# Altium PCB carrier_bak.PcbDoc (part 5 of 5)
Units mil, origin at the board's own origin, x right, y up, seen from the top; angles counter-clockwise.
Board outline 5511.81 x 3425.2 mil, 4 copper layers (Component Side, Power_layer1, Power_layer2, Solder Side), stack 65.912 mil thick; 375 components, 412 nets, 1874 pads, 645 vias.
Unrouted connection lines stored in the file: 33.
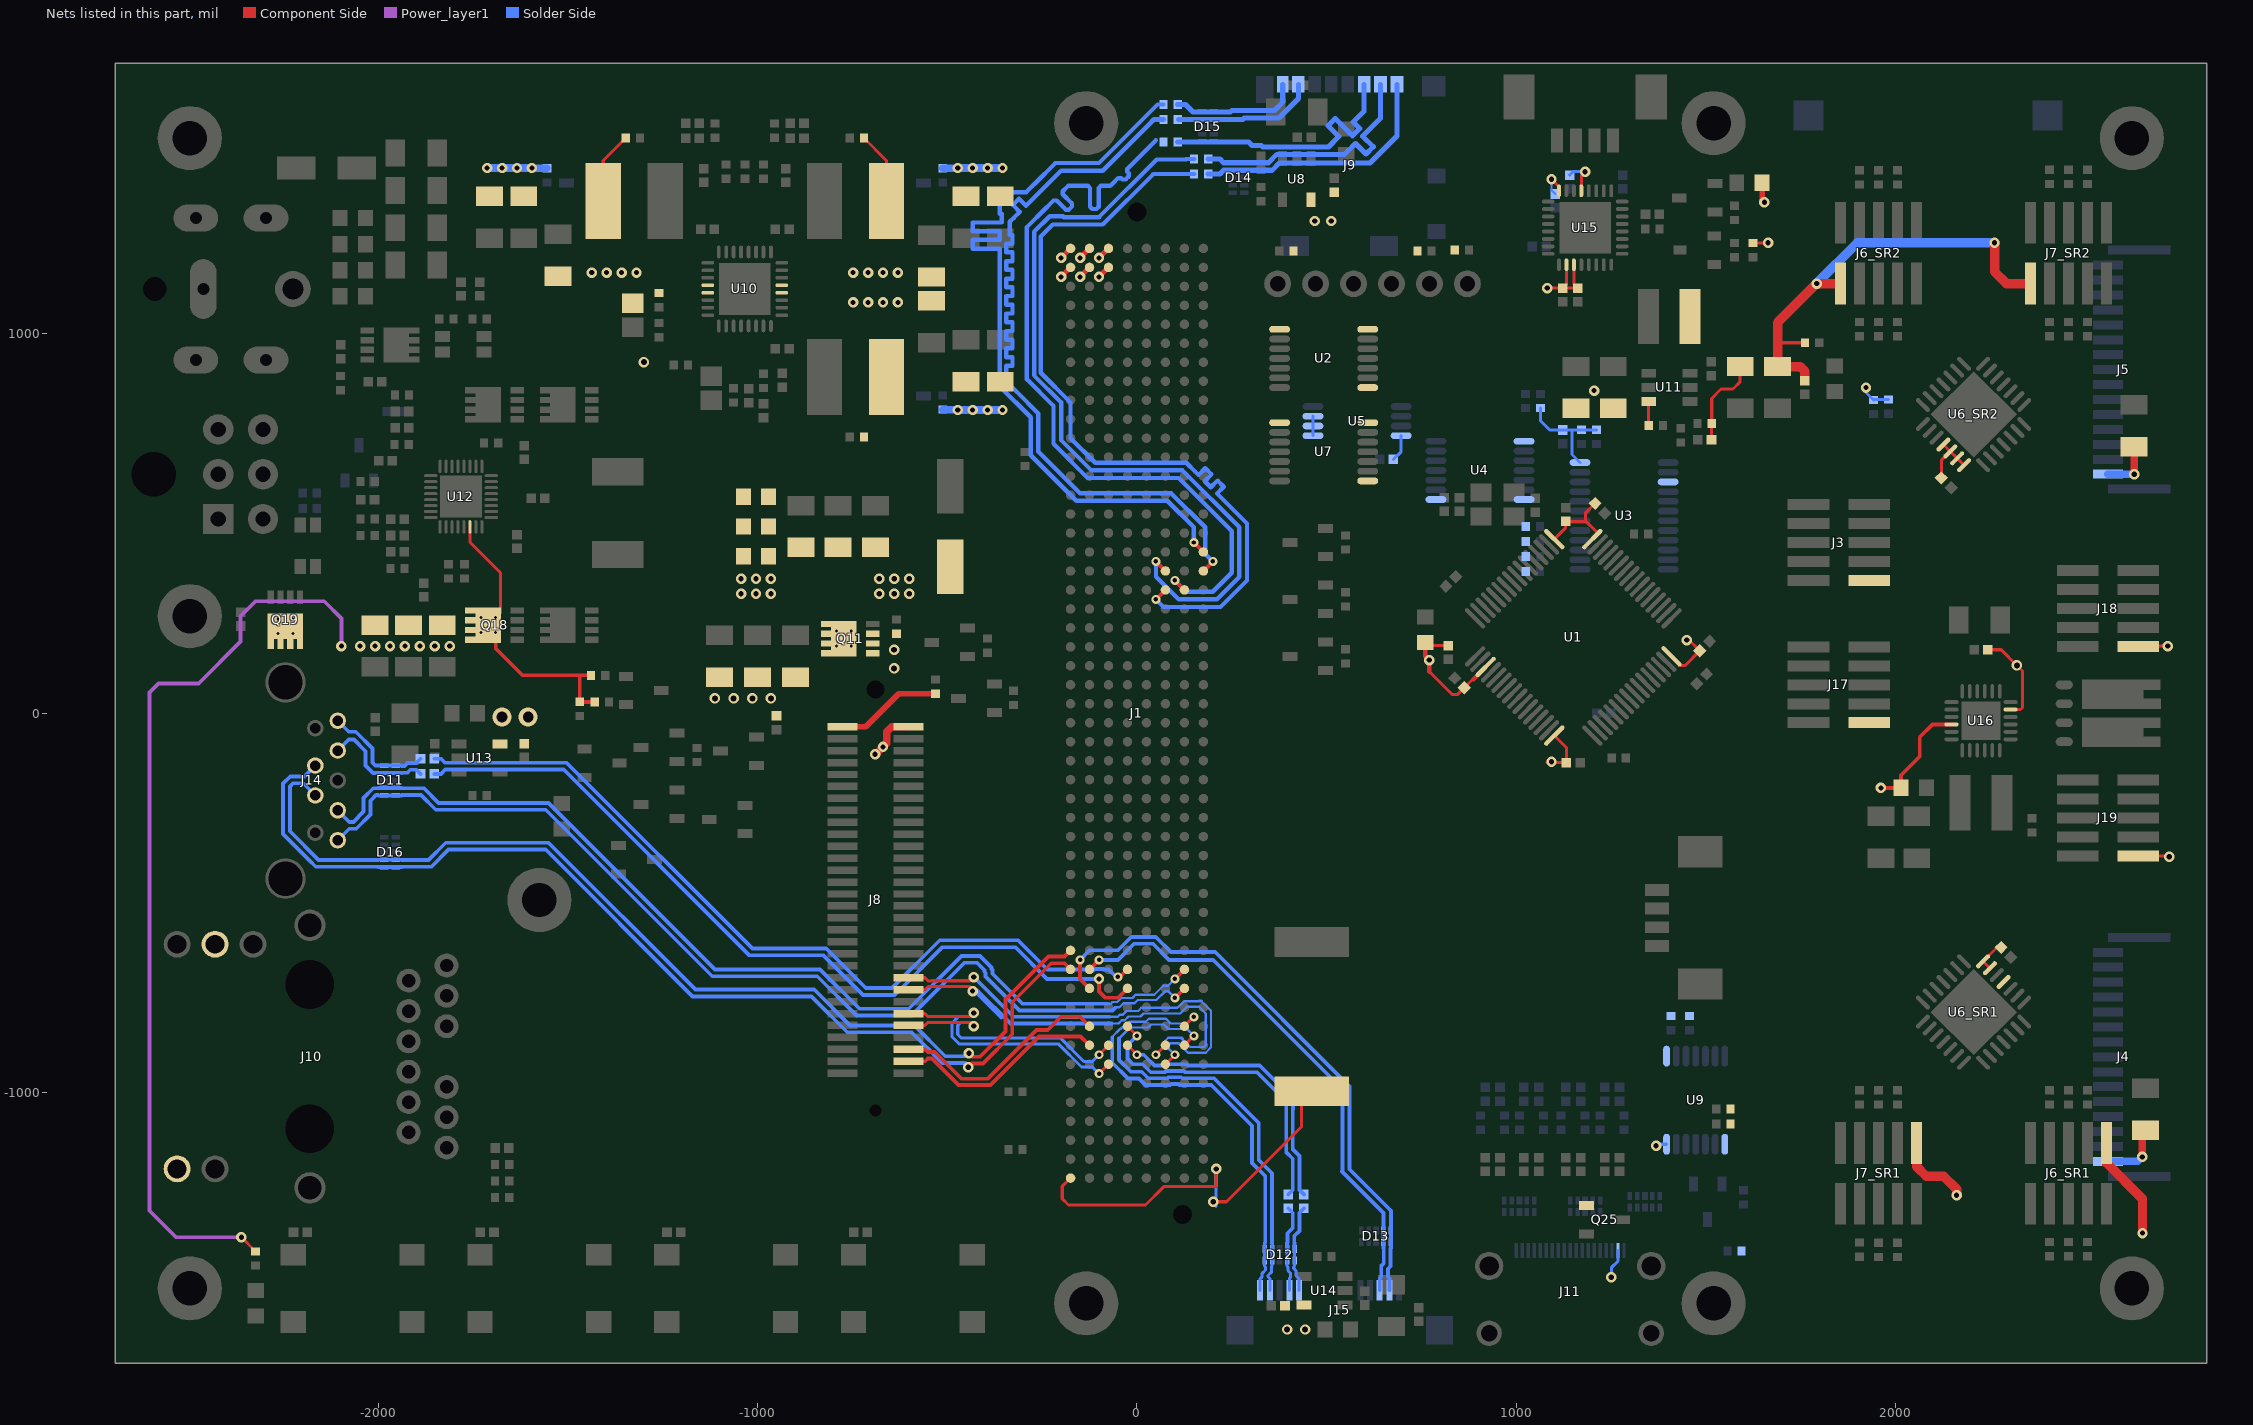
[diagram p7: the nets of this part, all layers, seen from the top]

## Via types
v1: diameter 27.56, hole 13.78, Component Side to Solder Side, 368 vias
v2: diameter 23.62, hole 11.81, Component Side to Solder Side, tented top, 99 vias
v3: diameter 27.56, hole 15.75, Component Side to Solder Side, 59 vias
v4: diameter 19.68, hole 7.87, Component Side to Solder Side, 54 vias
v5: diameter 27.56, hole 13.78, Component Side to Solder Side, tented top, 45 vias
v6: diameter 23.62, hole 11.81, Component Side to Solder Side, 10 vias
v7: diameter 19.68, hole 10, Component Side to Solder Side, 8 vias
v8: diameter 50, hole 28, Component Side to Solder Side, 2 vias

## Nets (pads, with @x,y where several pads share a name; then routed paths per layer and width w, separated by ;. In a path a pad name is that pad's centre, name@x,y a point inside that pad or via, vN(x,y) a via of type N, cw(c..) or ccw(c..) an arc to the next point about the centre after c; other vN are vias at no path point) (continued)
SDC_CMD: J1.G19 R25.1 | length 2134.5
  Component Side w11.5: v2(100,350) J1.G19@125,325
  Solder Side w11.5: 49.84,1509.84 19.68,1479.69 -25.28,1434.72 -25.28,1426.59 -21.74,1423.06 -21.74,1414.93 -29.88,1406.8 -38.01,1406.8 -41.54,1410.33 -49.67,1410.33 -61.87,1398.13 -70,1390 -94.97,1390 -100.72,1384.25 -100.72,1334.65 -106.47,1328.9 -117.97,1328.9 -123.72,1334.65 -123.72,1384.25 -129.47,1390 -146.72,1390 -169.72,1390 -181.22,1390 -183.19,1388.03 -195.39,1375.83 -195.39,1367.7 -171.28,1343.6 -171.28,1335.47 -179.42,1327.34 -187.55,1327.34 -211.65,1351.44 -219.78,1351.44 -231.98,1339.24 -240.11,1331.11 -290,1281.22 -290,880 -220,810 -220,710 -130,620 110,620 250,480 250,370 200,320 130,320 v2(100,350)
SDC_D0: J1.H18 R26.1 | length 2120.4
  Component Side w10: J1.H18@175,375 v2(200,400)
  Solder Side w11.5: 40,1560 -90,1430 -200,1430 -268.12,1361.88 -276.25,1353.75 -292.52,1337.48 -310.74,1355.71 -327,1339.44 -308.78,1321.22 -325.04,1304.96 -335,1295 -335,1283.5 -335,1260.5 -327.89,1260.5 -327.89,1237.5 -335,1237.5 -344.11,1237.5 -344.11,1214.5 -335,1214.5 -327.89,1214.5 -327.89,1191.5 -335,1191.5 -344.11,1191.5 -344.11,1168.5 -335,1168.5 -327.89,1168.5 -327.89,1145.5 -335,1145.5 -344.11,1145.5 -344.11,1122.5 -335,1122.5 -327.89,1122.5 -327.89,1099.5 -335,1099.5 -344.11,1099.5 -344.11,1076.5 -335,1076.5 -327.89,1076.5 -327.89,1053.5 -335,1053.5 -344.11,1053.5 -344.11,1030.5 -335,1030.5 -327.89,1030.5 -327.89,1007.5 -335,1007.5 -344.11,1007.5 -344.11,984.5 -335,984.5 -327.89,984.5 -327.89,961.5 -335,961.5 -344.11,961.5 -344.11,938.5 -335,938.5 -327.89,938.5 -327.89,915.5 -335,915.5 -344.11,915.5 -344.11,892.5 -335,892.5 -335,869.5 -335,865 -326.87,856.87 -316.46,846.46 -260,790 -260,690 -150,580 90,580 180,490 180,420 v2(200,400)
  Solder Side w13.5: 40,1560 44.96,1564.96 R26.1@69.88,1564.96
SDC_D1: J1.H17 R125.1 | length 2120.4
  Component Side w10: v2(150,450) J1.H17@175,425
  Solder Side w11.5: R125.1@69.88,1604.33 54.33,1604.33 -100,1450 -214.96,1450 -268.24,1396.72 -276.38,1388.59 -291.48,1373.48 -302.98,1373.48 -325.98,1373.48 -339.52,1373.48 -362,1351 -362,1339.5 -362,1316.5 -356.25,1316.5 -356.25,1293.5 -362,1293.5 -432.75,1293.5 -432.75,1270.5 -362,1270.5 -362,1247.5 -432.75,1247.5 -432.75,1224.5 -362,1224.5 -362,1183 -362,862 -280,780 -280,680 -160,560 80,560 150,490 v2(150,450)
SDC_D2: J1.F19 R126.1 | length 2158.4
  Component Side w11.5: v2(50,300) J1.F19@75,325
  Solder Side w11.5: v2(50,300) 70,280 220,280 290,350 290,500 221.5,568.5 210.92,579.08 228.82,596.98 212.56,613.24 194.66,595.34 178.4,611.6 196.29,629.5 180.03,645.77 162.13,627.87 154,636 130,660 -110,660 -175,725 -175,819.1 -253.5,897.6 -253.5,1256.5 -222,1288 -90,1288 43.26,1421.26 R126.1@150.59,1421.26
SDC_D3: J1.F18 R127.1 | length 2123.9
  Component Side w11.5: v2(50,400) J1.F18@75,375
  Solder Side w11.5: v2(50,400) 50,360 110,300 210,300 270,360 270,490 120,640 -120,640 -200,720 -200,819.35 -271,890.35 -271,1269 -230,1310 -194.96,1310 -192.58,1307.62 -99.86,1307.62 52.05,1459.53 130.16,1459.53 129.06,1460.63 R127.1@150.59,1460.63
SDCARD_CMD: D15.5 J9.3 R25.2 | length 735.6
  Solder Side w13.5: R25.2@107.28,1505.91 D15.5@171.85,1505.91 D15.5@202.17,1505.91 294,1505.91 303.4,1496.5 327.59,1496.5 331.59,1492.5 399,1492.5 410,1492.5 437,1492.5 464,1492.5 491,1492.5 504.5,1492.5 531.8,1519.8 503.45,1548.15 522.54,1567.24 550.89,1538.89 568.1,1521.68 587.2,1540.77 569.98,1557.98 589.08,1577.08 598.62,1586.62 598.62,1592.5 598.62,1619.5 598.62,1633 J9.3@598.62,1657.48
SDCARD_DAT0: D15.2 J9.7 R26.2 | length 375.3
  Solder Side w13.5: R26.2@110.24,1564.96 D15.2@171.85,1564.96 D15.2@202.17,1564.96 278.94,1564.96 282.87,1568.9 374.02,1568.9 425.39,1620.28 J9.7@425.39,1657.48
SDCARD_DAT1: D15.1 J9.8 R125.2 | length 342.7
  Solder Side w13.5: R125.2@107.28,1604.33 127.95,1604.33 147.64,1584.65 D15.1@171.85,1584.65 D15.1@202.17,1584.65 246.06,1584.65 250,1588.58 362.2,1588.58 384.06,1610.43 J9.8@384.06,1657.48
SDCARD_DAT2: D14.2 J9.1 R126.2 | length 674.9
  Solder Side w13.5: R126.2@187.99,1421.26 218.5,1421.26 228.35,1431.1 D14.2@252.56,1431.1 D14.2@282.87,1431.1 356.3,1431.1 375.2,1450 614,1450 685.24,1521.24 J9.1@685.24,1657.48
SDCARD_DAT3: D14.1 J9.2 R127.2 | length 674.9
  Solder Side w13.5: R127.2@187.99,1460.63 218.5,1460.63 228.35,1450.79 D14.1@252.56,1450.79 D14.1@282.87,1450.79 346.46,1450.79 368.67,1473 547,1473 556.55,1482.55 575.64,1501.64 603.5,1473.77 622.59,1492.87 594.73,1520.73 641.93,1567.93 J9.2@641.93,1657.48
USB0_D_N: D13.1 J1.B40 J15.2 | length 1570.9
  Component Side w11: v2(-150,-650) -150,-700 J1.B40@-125,-725
  Solder Side w10: v2(-150,-650) -124.71,-624.71 -50.17,-624.71 -14.96,-589.5 49.71,-589.5 89.75,-629.54 206.18,-629.54 560,-983.36 560,-1201.87 669.29,-1311.16 D13.1@669.29,-1362.8 D13.1@669.29,-1393.11 669.29,-1408.94 668.45,-1409.78 668.45,-1457.26 661.56,-1464.15 661.56,-1485.3 665.35,-1489.09 J15.2@665.35,-1520.67
USB0_D_P: D13.2 J1.B39 J15.3 | length 1434.6
  Component Side w11: J1.B39@-125,-675 v2(-100,-650)
  Solder Side w10: v2(-100,-650) -50,-650 -7.5,-607.5 42.25,-607.5 84.75,-650 201.18,-650 542,-990.82 542,-1205.32 540,-1207.32 649.61,-1316.93 D13.2@649.61,-1362.8 D13.2@649.61,-1393.11 649.61,-1408.94 650.45,-1409.78 650.45,-1449.8 643.56,-1456.69 643.56,-1485.3 639.76,-1489.09 J15.3@639.76,-1520.67
USB0_RX_N: D11.5 J1.G40 J14.5 | length 2701.2
  Component Side w10: v2(100,-750) J1.G40@125,-725
  Solder Side w6: -59.05,-775.59 -58.36,-774.9 -46.25,-774.9 -35.54,-764.19 -6.22,-764.19 2.07,-755.91 51.09,-755.91 75,-732 82,-732 v2(100,-750)
  Solder Side w10: J14.5@-2106.3,-334.65 -2075.93,-304.28 -2057.54,-304.28 -2020,-266.73 -2020,-230.69 -2005,-215.69 -2000.33,-215.69 -1999.49,-216.54 D11.5@-1983.66,-216.54 D11.5@-1953.35,-216.54 -1937.52,-216.54 -1936.68,-215.69 -1886.67,-215.69 -1848.14,-254.22 -1558.06,-254.22 -1119.28,-693 -842.43,-693 -738.82,-796.61 -593.99,-796.61 -454.86,-657.48 -421.37,-657.48 -401.71,-677.14 -401.71,-681.33 -399.03,-684.01 -399.03,-693.84 -309.18,-783.69 -64.33,-783.69 -57.64,-777
USB0_RX_P: D11.4 J1.G39 J14.6 | length 2698.7
  Component Side w10: v2(100,-700) J1.G39@125,-675
  Solder Side w6: -78.74,-765.69 -68.95,-765.69 -64.16,-760.9 -52.05,-760.9 -41.34,-750.19 -12.02,-750.19 -3.73,-741.91 45.3,-741.91 69.2,-718 82,-718 v2(100,-700)
  Solder Side w10: J14.6@-2106.3,-255.91 -2075.93,-286.28 -2065,-286.28 -2038,-259.28 -2038,-223.24 -2012.46,-197.69 -2000.33,-197.69 -1999.49,-196.85 D11.4@-1983.66,-196.85 D11.4@-1953.35,-196.85 -1937.52,-196.85 -1936.68,-197.69 -1879.21,-197.69 -1840.69,-236.22 -1550.61,-236.22 -1111.83,-675 -834.98,-675 -731.37,-778.61 -601.45,-778.61 -462.31,-639.48 -413.92,-639.48 -383.71,-669.69 -383.71,-673.87 -381.03,-676.55 -381.03,-686.39 -301.72,-765.69 -78.74,-765.69
USB0_TX_N: C91.2 J1.D40 | length 2215
  Component Side w10: v1(-100,-700) -100,-733.23 -83.23,-750 -50,-750 J1.D40@-25,-725
  Solder Side w10: C91.2@-1851.89,-160 -1834.29,-160 -1822.79,-148.5 -1510.54,-148.5 -1021.04,-638 -826.46,-638 -722.05,-742.41 -638.21,-742.41 -512.23,-616.43 -320.58,-616.43 -237.01,-700 v1(-100,-700)
USB0_TX_P: C90.2 J1.D39 | length 2178
  Component Side w10: v2(-50,-694.48) -44.48,-694.48 J1.D39@-25,-675
  Solder Side w10: C90.2@-1851.97,-120 -1834.37,-120 -1823.87,-130.5 -1503.09,-130.5 -1013.59,-620 -819,-620 -714.59,-724.41 -645.67,-724.41 -519.68,-598.43 -313.13,-598.43 -236.55,-675 -111.46,-675 -110.68,-674.22 -89.32,-674.22 -88.54,-675 -75,-675 -55.52,-694.48 v2(-50,-694.48)
USB0_TXc_N: C91.1 D11.2 J14.8 | length 296.6
  Solder Side w10: J14.8@-2106.3,-98.43 -2077.43,-69.56 -2063.44,-69.56 -2033,-100 -2033,-137.46 -2012.98,-157.48 D11.2@-1983.66,-157.48 D11.2@-1953.35,-157.48 -1937.52,-157.48 -1936.68,-156.64 -1922.64,-156.64 -1915,-149 -1899.11,-149 C91.1@-1888.11,-160
USB0_TXc_P: C90.1 D11.1 J14.9 | length 297
  Solder Side w10: J14.9@-2106.3,-19.69 -2077.43,-48.56 -2058.99,-48.56 -2015,-92.54 -2015,-130 -2007.2,-137.8 D11.1@-1983.66,-137.8 D11.1@-1953.35,-137.8 -1937.52,-137.8 -1936.68,-138.64 -1930.09,-138.64 -1922.46,-131 -1899.19,-131 C90.1@-1888.19,-120
USB1_D_N: D16.5 J1.A39 J14.2 | length 2776.4
  Component Side w10: v1(-444.88,-933.07) -435.21,-923.4 -405.93,-923.4 -328.46,-845.93 -328.46,-761.53 -225.93,-659 -191,-659 J1.A39@-175,-675
  Solder Side w10: -2182.02,-386.74 -2250.28,-318.48 -2250.28,-185.46 -2231.49,-166.67 -2194.22,-166.67 J14.2@-2165.35,-137.8 ; -2180.68,-388.08 -2164.09,-404.67 -2000.33,-404.67 -1999.49,-405.51 D16.5@-1983.66,-405.51 D16.5@-1953.35,-405.51 -1937.52,-405.51 -1936.68,-404.67 -1859.53,-404.67 -1814.04,-359.18 -1558.14,-359.18 -1170.98,-746.35 -857.85,-746.35 -763.36,-840.83 -594.07,-840.83 -512.89,-922.01 -454.51,-922.01 -454.01,-922.51 -450.69,-922.51 -444.88,-928.32 v1(-444.88,-933.07)
USB1_D_P: D16.4 J1.A38 J14.3 | length 2716
  Component Side w10: v1(-442.91,-895.73) -433.24,-905.4 -413.39,-905.4 -346.46,-838.47 -346.46,-754.07 -233.38,-641 -191,-641 J1.A38@-175,-625
  Solder Side w10: J14.3@-2165.35,-216.54 -2197.22,-184.67 -2224.04,-184.67 -2232.28,-192.91 -2232.28,-311.02 -2156.64,-386.67 -2000.33,-386.67 -1999.49,-385.83 D16.4@-1983.66,-385.83 D16.4@-1953.35,-385.83 -1937.52,-385.83 -1936.68,-386.67 -1866.98,-386.67 -1821.5,-341.18 -1550.68,-341.18 -1163.52,-728.35 -850.39,-728.35 -755.91,-822.83 -586.61,-822.83 -505.44,-904.01 -451.19,-904.01 v1(-442.91,-895.73)
USB1_RX_N: D12.4 J1.G43 J15.9 | length 1320.6
  Component Side w8: J1.G43@125,-875 v2(150,-850)
  Solder Side w6: -47.24,-857.24 -24.9,-834.9 -21.4,-834.9 -14.69,-828.19 29.11,-828.19 37.3,-820 70.71,-820 82.91,-832.21 132.21,-832.21 v2(150,-850)
  Solder Side w8: 345.1,-1481.67 345.1,-1484.8 350.39,-1490.09 J15.9@350.39,-1520.67 ; 345.4,-1481.98 353.96,-1473.43 353.96,-1459.49 356.3,-1457.15 D12.4@356.3,-1442.32
  Solder Side w10: -47.24,-857.24 -47.24,-913.39 -15.75,-944.88 12.81,-944.88 29.92,-962 80.28,-962 83.1,-959.19 116.9,-959.19 119.72,-962 203.37,-962 321.15,-1079.78 321.15,-1177.58 355.96,-1212.39 355.96,-1395.84 356.3,-1396.18 D12.4@356.3,-1412.01 D12.4@356.3,-1442.32 ; 354.96,-1370.08 354.96,-1268.13
USB1_RX_P: D12.5 J1.G42 J15.10 | length 1245.9
  Component Side w8: J1.G42@125,-825 v2(150,-800)
  Solder Side w6: -65.24,-854.03 -65.24,-852.62 -44.72,-832.09 -43.31,-832.09 -32.11,-820.9 -27.2,-820.9 -19.49,-813.19 23.31,-813.19 31.5,-805 76.21,-805 88.71,-817.5 132.5,-817.5 v2(150,-800)
  Solder Side w8: J15.10@324.8,-1520.67 324.8,-1490.09 330.1,-1484.8 330.1,-1476.07 338.96,-1467.21 338.96,-1459.49 336.61,-1457.15 D12.5@336.61,-1442.32
  Solder Side w10: -65.24,-854.03 -65.24,-920.84 -23.2,-962.88 5.35,-962.88 22.47,-980 87.74,-980 90.55,-977.19 109.45,-977.19 112.26,-980 195.91,-980 303.15,-1087.24 303.15,-1185.04 337.96,-1219.85 337.96,-1394.84 336.61,-1396.18 D12.5@336.61,-1412.01 D12.5@336.61,-1442.32
USB1_TX_N: C97.2 J1.D43 | length 779.1
  Component Side w8: J1.D43@-25,-875 v2(0,-900)
  Solder Side w10: v2(0,-900) 18.11,-900 27.19,-909.08 27.19,-909.45 40.55,-922.81 40.92,-922.81 46.11,-928 66.2,-928 69.01,-925.19 130.99,-925.19 133.8,-928 323.53,-928 411.7,-1016.17 411.7,-1043.73 ; 410.7,-1149.5 410.7,-1026.42 ; 411.2,-1149.5 428.37,-1166.67 428.37,-1256.72 C97.2@440,-1268.35
USB1_TX_P: C96.2 J1.D42 | length 840.1
  Component Side w8: J1.D42@-25,-825 v2(0,-850)
  Solder Side w8: 295.28,-945 305.24,-945
  Solder Side w10: v2(0,-850) -24.81,-874.81 -24.81,-910.28 -10.28,-924.81 15.36,-924.81 36.55,-946 73.66,-946 76.47,-943.19 123.53,-943.19 126.34,-946 316.08,-946 393.7,-1023.62 393.7,-1157.46 410.37,-1174.13 410.37,-1256.72 C96.2@398.74,-1268.35
USB1_TXc_N: C97.1 D12.1 J15.6 | length 233.9
  Solder Side w8: D12.1@415.35,-1412.01 D12.1@415.35,-1442.32 415.35,-1457.15 413.01,-1459.49 413.01,-1462.8 419.29,-1469.07 419.29,-1482.28 427.1,-1490.09 427.17,-1490.09 J15.6@427.17,-1520.67
  Solder Side w10: D12.1@415.35,-1412.01 415.35,-1396.18 414.51,-1395.34 414.51,-1377.95 428.37,-1364.09 428.37,-1316.2 C97.1@440,-1304.57
USB1_TXc_P: C96.1 D12.2 J15.7 | length 231.7
  Solder Side w8: D12.2@395.67,-1412.01 D12.2@395.67,-1442.32 395.67,-1457.15 398.01,-1459.49 398.01,-1469.01 404.29,-1475.29 404.29,-1487.38 401.57,-1490.09 J15.7@401.57,-1520.67
  Solder Side w10: D12.2@395.67,-1412.01 395.67,-1396.18 396.51,-1395.34 396.51,-1370.5 410.37,-1356.64 410.37,-1316.2 C96.1@398.74,-1304.57
USBM2_D_N: J1.B43 J8.58 | length 572.3
  Component Side w10: J8.58@-602.36,-917.32 -557.99,-917.32 -550.74,-910.07 -539.93,-910.07 -470,-980 -385.94,-980 -257.96,-852.02 -222.02,-852.02 -221.5,-851.5 -148.5,-851.5 J1.B43@-125,-875
USBM2_D_P: J1.B42 J8.56 | length 587.2
  Component Side w10: J8.56@-602.36,-885.83 -557.99,-885.83 -550.74,-893.07 -532.88,-893.07 -462.96,-963 -392.98,-963 -265,-835.02 -234.98,-835.02 -199.96,-800 -150,-800 J1.B42@-125,-825
USBM2_RX_N: J1.F44 J8.44 | length 1170.3
  Component Side w8: J8.44@-602.36,-696.85 -558.99,-696.85 -550.74,-705.1 -540,-705.1 -539.9,-705 -439.78,-705 v1(-430,-695.22) ; J1.F44@75,-925 v2(100,-900)
  Solder Side w6: -72.73,-799.69 -50.5,-799.69 -45.71,-794.9 -37.97,-794.9 -27.55,-784.48 3.19,-784.48 11.38,-776.29 106.69,-776.29 124.21,-758.78 163.78,-758.78 ; 82,-875 82,-882 v2(100,-900) ; 82.5,-875 87.5,-870 110,-870 134.39,-894.39 181.2,-894.39 195.1,-880.5 195.1,-784.3 169.58,-758.78
  Solder Side w8: 163.78,-758.78 169.58,-758.78
  Solder Side w10: v1(-430,-695.22) -325.53,-799.69 -72.73,-799.69
USBM2_RX_P: J1.F43 J8.46 | length 1230.9
  Component Side w8: J8.46@-602.36,-728.35 -558.99,-728.35 -550.74,-720.1 -533.79,-720.1 -533.69,-720 -439.78,-720 ; v2(50,-900) J1.F43@75,-875
  Solder Side w6: -66.93,-817.69 -48.7,-817.69 -39.91,-808.9 -32.17,-808.9 -22.46,-799.19 8.99,-799.19 17.18,-791 114.17,-791 131.39,-773.78 163.78,-773.78 181.1,-791.1 181.1,-874.7 176.41,-879.39 140.61,-879.39 120.61,-859.39 ; v2(50,-900) 68,-882 68,-869.7 82.41,-855.29 116.51,-855.29
  Solder Side w8: 116.51,-855.29 120.61,-859.39
  Solder Side w10: v1(-433.07,-732.28) -427.5,-732.28 -357.7,-802.08 ; v1@-430,-729.78 -420.9,-729.78 -332.99,-817.69 -66.93,-817.69
USBM2_TX_N: J1.C44 J8.50 | length 747.6
  Component Side w8: J8.50@-602.36,-791.34 -558.99,-791.34 -550.74,-799.59 -439.78,-799.59 v1(-430,-789.81) ; v2(-100,-950) J1.C44@-75,-925
  Solder Side w8: v1(-430,-789.81) -439.78,-799.59 -470.8,-799.59 -487.29,-816.08 -487.29,-852.82 -468.81,-871.3 -207.41,-871.3 -146.21,-932.5 -117.5,-932.5 v2(-100,-950)
USBM2_TX_P: J1.C43 J8.52 | length 698.1
  Component Side w8: J8.52@-602.36,-822.83 -558.99,-822.83 -550.74,-814.59 -439.78,-814.59 v1(-430,-824.37) ; v2(-100,-900) J1.C43@-75,-875
  Solder Side w8: v1(-430,-824.37) -439.78,-814.59 -464.59,-814.59 -472.29,-822.29 -472.29,-846.31 -472.44,-846.46 -462.6,-856.3 -201.2,-856.3 -140,-917.5 -117.5,-917.5 v2(-100,-900)
VDD_1V8_SYS: C13.1 C62.2 C63.2 C100.2 C101.2 J18.1 J19.1 L4.2 R28.2 R65.1 R66.1 R105.1 U2.1 U2.8 U4.1 U4.8 U5.1 U5.2 U5.3 U5.8 U7.1 U7.8 U15.2 U15.3 | length 881.6
  Component Side w8: R66.1@-719.49,1515.75 -660.43,1456.69 L4.2@-660.43,1350.39 ; v1(1081.1,1120.47) C100.2@1122.05,1120.47 ; U15.2@1131.89,1182.09 1131.89,1130.32 C100.2@1122.05,1120.47 ; U15.3@1151.57,1182.09 1151.57,1130.32 C101.2@1161.42,1120.47 C100.2@1122.05,1120.47 ; R105.1@1624.02,1239.17 1662.4,1239.17 v1(1663.39,1240.16) ; J19.1@2639.06,-375.59 2718.11,-375.59 v1(2720.47,-377.95) ; J18.1@2639.06,175.59 2640.63,177.17 v1(2716.54,177.17)
  Solder Side w8: U5.1@463.86,731.61 U5.2@463.86,757.2 U5.3@463.86,782.8 ; C13.1@675.98,669.29 696.14,689.45 U5.8@696.14,731.61
  Solder Side w20: R65.1@-511.81,1436.02 -473.43,1436.02 v1(-472.44,1437.01) v1(-433.07,1437.01) v1(-393.7,1437.01) v1(-354.33,1437.01)
VDD_3V3_MCU: C1.1 C3.1 C4.1 C5.1 C6.1 C14_SR1.2 C14_SR2.2 C54.2 C55.2 C56.2 C57.1 C110.2 C119.1 FB5.1 FB25.2 J3.1 J6_SR1.1 J6_SR2.1 J7_SR1.1 J7_SR2.1 J17.1 L3.2 R9.2 R10.2 R63.2 R76.2 U1.1 U1.19 U1.32 U1.48 U1.64 U6_SR1.25 U6_SR1.27 U6_SR1.28 U6_SR2.25 U6_SR2.26 U6_SR2.27 U6_SR2.28 U16.11 U16.22 | length 3689.4
  Component Side w8: FB5.1@760,186.54 768.43,178.11 C1.1@820,178.11 ; 770,110 830,50 845.61,50 C3.1@862.81,67.19 885.61,90 886.89,90 ; v1(1092.52,-127.95) 1082.05,-127.95 1080,-130 C5.1@1131.89,-130 1131.89,-90.9 U1.32@1099.89,-58.9 ; U1.1@1099.89,458.9 1129.92,488.93 C119.1@1129.92,505.51 1181.59,505.51 1182.53,506.45 ; U1.64@1200.11,458.9 1220,478.79 1210.19,478.79 1181.59,507.38 1181.59,527.2 C6.1@1207.19,552.81 ; U1.48@1408.9,149.89 1432.81,125.98 1444.88,125.98 C4.1@1483.26,164.36 1454.7,192.91 v1(1448.82,192.91) ; C57.1@1514.17,720.47 1514.17,763.19 R63.2@1514.76,763.78 1514.76,829.72 1539.37,854.33 1570.87,854.33 1589.84,873.31 C54.2@1589.84,913.78 ; 1688.27,976.38 R76.2@1760.83,976.38 ; C14_SR2.2@2120,620 2120,666.49 U6_SR2.26@2143.48,689.97 ; U6_SR2.25@2125.38,708.06 U6_SR2.26@2143.48,689.97 ; U6_SR2.28@2179.67,653.78 U6_SR2.27@2161.57,671.87 U6_SR2.26@2143.48,689.97 ; C110.2@2242.52,167.32 2277.56,167.32 v3(2318.9,125.98) 2333.65,111.24 2333.65,14.75 2328.74,9.84 U16.11@2302.17,9.84 ; U6_SR1.27@2247.87,-671.87 U6_SR1.28@2229.78,-653.78 2266.36,-617.19 C14_SR1.2@2277.19,-617.19
  Component Side w10: v1(1960.63,-196.85) FB25.2@2013.78,-196.85 2013.78,-163.39 2062.99,-114.17 2062.99,-62.99 2096.46,-29.53 U16.22@2146.65,-29.53
  Component Side w12: FB5.1@760,186.54 760,150 v1(770,140) 770,110 ; 886.89,90 U1.19@918.94,122.05
  Component Side w25: C56.2@1759.84,876.38 1759.84,901.57 1747.64,913.78 C55.2@1688.27,913.78 1688.27,976.38 1688.27,1029.41 v1(1791.26,1132.4) J6_SR2.1@1854.72,1132.4 ; J7_SR1.1@2054.72,-1132.4 2054.72,-1194.72 2080,-1220 2126,-1220 2160,-1254 v1(2160,-1270) ; v1(2260,1240) 2260,1163.66 2291.26,1132.4 J7_SR2.1@2354.72,1132.4 ; J6_SR1.1@2554.72,-1132.4 2554.72,-1184.72 2650,-1280 v1(2650,-1370)
  Solder Side w8: v1(1921.26,858.27) 1921.26,845.47 R9.2@1940.94,825.79 1941.93,826.77 R10.2@1980.32,826.77
  Solder Side w25: v1(1791.26,1132.4) 1898.86,1240 v1(2260,1240)
VDD_3V3_STBY: C18.2 C66.2 C67.2 C68.2 C69.2 C107.1 C108.1 J4.15 J5.15 J8.1 Q11.D Q25.G R11.2 R12.2 R20.1 R22.2 R69.2 R128.2 R129.2 R130.2 U3.3 U3.24 | length 876.6
  Component Side w15: J8.1@-775.59,-35.43 -714.57,-35.43 -627.95,51.18 R69.2@-531.5,51.18
  Component Side w20: v1(2627.95,629.92) C107.1@2627.95,702.76 ; v1(2649.61,-1169.29) 2649.61,-1106.3 C108.1@2657.48,-1098.43
  Solder Side w8: R20.1@1062.99,804.13 1062.99,771.65 1088.19,746.46 C18.2@1122.05,746.46 1146.36,746.46 ; U3.24@1167.64,660.75 1146.36,682.03 1146.36,746.46 ; R11.2@1210.63,747.05 R12.2@1171.26,747.05 1170.67,746.46 1146.36,746.46
  Solder Side w20: J4.15@2559.06,-1181.1 2637.8,-1181.1 v1(2649.61,-1169.29) ; J5.15@2559.06,629.92 v1(2627.95,629.92)
  other v3: -1112.2,39.37 -1062.99,39.37 -1013.78,39.37 -964.57,39.37
  other v4: -792.32,177.17 -752.95,177.17 -792.32,216.54 -752.95,216.54
VDD_3V3_SYS: C19.1 C48.2 C49.2 FB21.1 J10.14 J10.16 L2.2 Q11.S R1.2 R2.2 R3.2 R32.2 R33.2 R59.1 R60.1 R80.2 U2.14 U4.14 U7.14 U8.5 U9.1 U9.8 | length 212.1
  Component Side w15: FB21.1@1647.64,1397.64 1647.64,1356.3 1653.54,1350.39 v1(1653.54,1346.46)
  Solder Side w20: R59.1@-511.81,800.2 -472.44,800.2 v1(-472.44,799.21) v1(-433.07,799.21) v1(-393.7,799.21) v1(-354.33,799.21)
  other v1: 468.5,1297.24 511.81,1297.24
  other v3: -639.76,118.11 -639.76,167.32
VDD_5V0_SYS: C37.2 C38.2 C86.1 C92.1 C102.2 C103.2 J8.2 J11.18 L1.2 R34.2 R35.2 R55.1 R56.1 U9.14 U13.5 U14.5 U15.21 U15.24 | length 771.3
  Component Side w8: L1.2@-1406.5,1350.39 -1406.5,1456.69 R56.1@-1347.44,1515.75 ; v1(1092.52,1407.48) 1112.2,1387.8 U15.24@1112.2,1376.97 ; U15.21@1171.26,1376.97 1171.26,1417.32 v1(1181.1,1427.17)
  Component Side w20: v1(-690.21,-108.27) -688.98,-108.27 v1(-669.29,-88.58) -659.45,-78.74 -659.45,-49.21 -645.67,-35.43 J8.2@-602.36,-35.43
  Solder Side w6: v1(1092.52,1407.48) 1092.52,1378.35 C103.2@1102.36,1368.5
  Solder Side w8: C102.2@1140,1418.11 1149.06,1427.17 v1(1181.1,1427.17) ; v1(1250,-1486.22) 1250,-1461.54 1267.72,-1443.82 J11.18@1267.72,-1415.35 ; v1(1368.11,-1139.76) 1372.05,-1135.83 U9.14@1395.67,-1135.83
  Solder Side w20: v1(-1712.6,1437.01) v1(-1673.23,1437.01) v1(-1633.86,1437.01) v1(-1594.49,1437.01) -1593.5,1436.02 R55.1@-1555.12,1436.02
  other v3: 395.67,-1624.02 442.91,-1624.02
  other v8: -1673.23,-9.84 -1604.33,-9.84
VDD_RTC: C39.1 J1.A50 | length 1075.3
  Component Side w8: J1.A50@-175,-1225 -196.85,-1246.85 -196.85,-1279.53 -180.38,-1296 22.28,-1296 70.78,-1247.5 207.7,-1247.5 208.66,-1246.54 v1(208.66,-1200.79) ; v1(200.79,-1287.4) 236.03,-1287.4 433.07,-1090.36 433.07,-1023.62 C39.1@460.63,-996.06
  Solder Side w8: v1(200.79,-1287.4) 200.79,-1291.34 208.66,-1299.21 v1(208.66,-1200.79)
VIN_NVM: C40.2 C41.2 C42.2 C113.1 FB11.2 FB12.2 FB13.2 J1.A1 J1.A2 J1.B1 J1.B2 J1.C1 J1.C2 | length 212.1
  Component Side w13: v5(-200,1150) J1.A2@-175,1175 ; v5(-200,1200) J1.A1@-175,1225 ; v5(-150,1150) J1.B2@-125,1175 ; v5(-150,1200) J1.B1@-125,1225 ; v5(-100,1150) J1.C2@-75,1175 ; v5(-100,1200) J1.C1@-75,1225
  other v1: -679.13,314.96 -639.76,314.96 -600.39,314.96 -679.13,354.33 -639.76,354.33 -600.39,354.33
VIN_PSU: C33.2 C44.2 C52.2 C53.2 C58.2 C65.2 C116.2 C117.2 C118.2 FB11.1 FB12.1 FB13.1 Q18.D Q19.D R62.1 R70.1 R71.1 R73.2 R77.2 R78.2 U10.12 U10.13 U10.28 U10.29 U11.3 U12.22 | length 3227.5
  Component Side w8: v1(-2360,-1381.14) R77.2@-2322.83,-1418.31 ; U12.22@-1757.87,491.14 -1757.87,450.79 -1677.17,370.08 -1677.17,264.76 v4(-1689.96,251.97) Q18.D@-1709.65,232.28 ; R62.1@1348.7,758.27 U11.3@1348.7,821.26
  Component Side w10: v4(-1689.96,212.6) -1689.96,170.28 -1619.68,100 -1468.5,100 ; R71.1@-1438.7,100 -1468.5,100 ; R70.1@-1428.7,30 -1468.5,30 R78.2@-1468.5,30.51 -1468.5,100
  Power_layer1 w10: v1(-2360,-1381.14) -2532.24,-1381.14 -2602.36,-1311.02 -2602.36,55.12 -2578.74,78.74 -2472.44,78.74 -2362.2,188.98 -2362.2,255.91 -2322.83,295.28 -2141.73,295.28 -2096.46,250 v1(-2096.46,177.17)
  other v1: -2047.24,177.17 -2007.87,177.17 -1968.5,177.17 -1929.13,177.17 -1889.76,177.17 -1850.39,177.17 -1811.02,177.17 -1043.31,314.96 -1003.94,314.96 -964.57,314.96 -1043.31,354.33 -1003.94,354.33 -964.57,354.33 1204.72,850.39 -748.03,1082.68 -708.66,1082.68 -669.29,1082.68 -629.92,1082.68 -1437.01,1161.42 -1397.64,1161.42 -1358.27,1161.42 -1318.9,1161.42 -748.03,1161.42 -708.66,1161.42 -669.29,1161.42 -629.92,1161.42
  other v3: -1299.21,925.2
  other v4: -2263.78,209.65 -2224.41,209.65 -1729.33,212.6 -2263.78,249.02 -2224.41,249.02 -1729.33,251.97
pads on no net: D5.A1 D13.4 D14.5 D16.1 D16.2 J1.A5 J1.A8 J1.A9 J1.A10 J1.A11 J1.A12 J1.A13 J1.A14 J1.A15 J1.A16 J1.A19 J1.A22 J1.A23 J1.A24 J1.A25 J1.A26 J1.A27 J1.A29 J1.A30 J1.A31 J1.A32 J1.A41 J1.A42 J1.A44 J1.A45 J1.B5 J1.B9 J1.B10 J1.B11 J1.B12 J1.B13 J1.B18 J1.B19 J1.B20 J1.B21 J1.B22 J1.B23 J1.B24 J1.B25 J1.B26 J1.B27 J1.B28 J1.B29 J1.B30 J1.B32 J1.B45 J1.B46 J1.B48 J1.B49 J1.C5 J1.C9 J1.C10 J1.C11 J1.C12 J1.C13 J1.C17 J1.C18 J1.C19 J1.C20 J1.C31 J1.C32 J1.C34 J1.C35 J1.C40 J1.C41 J1.C46 J1.C47 J1.C48 J1.C49 J1.C50 J1.D1 J1.D2 J1.D3 J1.D4 J1.D7 J1.D11 J1.D12 J1.D16 J1.D17 J1.D18 J1.D19 J1.D30 J1.D31 J1.D33 J1.D34 J1.D48 J1.D49 J1.D50 J1.E3 J1.E4 J1.E5 J1.E6 J1.E7 J1.E8 J1.E9 J1.E10 J1.E11 J1.E12 J1.E13 J1.E14 J1.E16 J1.E17 J1.E18 J1.E29 J1.E30 J1.E32 J1.E33 J1.E41 J1.E42 J1.E44 J1.E45 J1.E50 J1.F3 J1.F4 J1.F5 J1.F6 J1.F11 J1.F12 J1.F13 J1.F14 J1.F16 J1.F31 J1.F32 J1.F34 J1.F35 J1.G4 J1.G5 J1.G6 J1.G9 J1.G10 J1.G11 J1.G13 J1.G14 J1.G15 J1.G16 J1.G30 J1.G31 J1.G33 J1.G34 J1.H3 J1.H4 J1.H5 J1.H6 J1.H11 J1.H13 J1.H14 J1.H15 J1.H29 J1.H30 J1.H32 J1.H33 J1.H50 J1.MH1 J1.MH2 J4.16 J5.16 J8.PEG J10.18 J11.17 J12.7 J13.18 J16.1 J16.2 J16.3 J16.4 J16.TAB J20.TAB U1.2 U1.3 U1.4 U1.14 U1.26 U1.27 U1.33 U1.34 U1.35 U1.36 U1.39 U1.40 U1.41 U1.44 U1.45 U1.51 U1.52 U1.53 U1.54 U1.57 U1.58 U2.6 U2.9 U3.4 U3.5 U3.6 U3.7 U3.8 U3.9 U3.10 U3.11 U3.13 U3.14 U3.15 U3.16 U4.6 U4.9 U6_SR1.3 U6_SR1.4 U6_SR1.5 U6_SR1.6 U6_SR1.29 U6_SR2.3 U6_SR2.4 U6_SR2.5 U6_SR2.6 U6_SR2.29 U7.5 U7.6 U7.9 U7.10 U9.4 U9.6 U9.9 U9.11 U12.15 U15.13 U15.15 U15.32 U16.1 U16.8 U16.19 U16.24
copper on no net:
  other v1: 2736.22,-1122.05 1210.63,-118.11 1350.39,515.75
  other v3: -996.06,-905.51 -980.32,-795.28 2657.48,-708.66 -1000,-425.2 2637.8,1082.68

## Polygon pours and split planes (outlines as drawn)
VDD_3V3_SYS on Power_layer2 "Power_layer2_stby" (solid, pour order 17): -492.13,826.77 -492.13,492.13 -836.61,492.13 -836.61,236.22 -728.35,236.22 -728.35,98.43 -600.39,98.43 -600.39,285.43 -708.66,285.43 -708.66,393.7 -314.96,393.7 -314.96,826.77
GND on Power_layer2 "Internal_ground2" (solid, pour order 22): -2692.91,-1712.6 2818.9,-1712.6 2818.9,1712.6 -2692.91,1712.6
VIN_PSU on Power_layer2 "INPUT_PSU" (solid, pour order 15): -1820.87,285.43 -1673.23,285.43 -1673.23,196.85 -1279.53,196.85 -1279.53,374.02 -944.88,374.02 -944.88,295.28 -1141.73,295.28 -1145.67,291.34 -1145.67,49.21 -2165.35,49.21 -2165.35,1181.1 -1114.17,1181.1 -1114.17,1043.31 -954.72,1043.31 -954.72,1181.1 -610.24,1181.1 -610.24,1062.99 -826.77,1062.99 -826.77,935.04 -1820.87,935.04
VIN_NVM on Power_layer2 "NVM_POWER" (solid, pour order 16): -698.82,295.28 -698.82,383.86 -334.65,383.86 -334.65,1220.47 -78.74,1220.47 -78.74,1131.89 -226.38,1131.89 -226.38,295.28
VDD_3V3_SYS on Power_layer2 "Power_layer2-VDD_3V3_SYS" (solid, pour order 24): -492.13,826.77 -492.13,492.13 -836.61,492.13 -836.61,236.22 -728.35,236.22 -728.35,98.43 -600.39,98.43 -600.39,285.43 -708.66,285.43 -708.66,393.7 -314.96,393.7 -314.96,826.77
GND on Component Side "GROUND_PSU" (solid, pour order 19): -275.59,49.21 -275.59,196.85 -275.59,1712.6 -2692.91,1712.6 -2692.91,49.21
GND on Component Side "Outer_ground1" (solid, pour order 21): -2692.91,-1712.6 2818.9,-1712.6 2818.9,1712.6 -2692.91,1712.6
VDD_5V0_SYS on Power_layer1 "Power_layer1_5v0" (solid, pour order 18): -1590.55,-137.8 -1590.55,1342.52 -1742.13,1342.52 -1742.13,1466.54 -1421.26,1466.54 -1421.26,9.84 -649.61,9.84 -649.61,-137.8
GND on Power_layer1 "Internal_ground" (solid, pour order 20): -2692.91,-1712.6 2818.9,-1712.6 2818.9,1712.6 -2692.91,1712.6
GND on Solder Side "Outer_ground2" (solid, pour order 25): -2692.91,-1712.6 2818.9,-1712.6 2818.9,1712.6 -2692.91,1712.6

## Other copper
Component Side:
  rectangle net DC_INrp: -1870.08,960.63 -1850.39,960.63
  region net VDD_3V3_SYS: -600.39,94.49 -600.39,220.47 -715.55,220.47 -715.55,94.49
  region net VDD_3V3_STBY: -834.65,127.95 -834.65,244.09 -736.22,244.09 -736.22,-47.24 -814.96,-47.24 -814.96,9.84 -1112.2,9.84 -1137.8,9.84 -1137.8,127.95
  region net VDD_5V0_SYS: 462.6,-1545.28 375.98,-1545.28 375.98,-1549.21 375.98,-1553.15 375.98,-1643.7 462.6,-1643.7
  region net NetC94_2: 704.72,-1588.58 704.72,-1555.12 677.17,-1555.12 677.17,-1588.58 541.34,-1588.58 541.34,-1647.64 757.87,-1647.64 757.87,-1588.58
  region net NetC93_2: 474.41,-1647.64 474.41,-1545.28 620.08,-1545.28 620.08,-1572.83 517.72,-1572.83 517.72,-1647.64
  region net NetC111_2: 2059.06,-173.23 2100.39,-173.23 2100.39,-299.21 1925.2,-299.21 1925.2,-244.09 2059.06,-244.09
  region net NetC109_2: 2358.27,141.73 2303.15,196.85 2303.15,210.63 2244.09,210.63 2244.09,281.5 2330.71,281.5 2330.71,192.91 2377.95,145.67 2377.95,86.61 2468.5,86.61 2468.5,62.99 2381.89,62.99 2381.89,-11.81 2468.5,-11.81 2468.5,-39.37 2413.39,-39.37 2405.51,-47.24 2354.33,-47.24 2354.33,-73.82 2283.46,-73.82 2283.46,-62.99 2330.71,-62.99 2330.71,-35.43 2283.46,-35.43 2283.46,-23.62 2358.27,-23.62
  region net NetJ19_7: 2582.68,-244.09 2582.68,-208.66 2744.09,-208.66 2744.09,-90.55 2488.19,-90.55 2488.19,-7.87 2775.59,-7.87 2775.59,-244.09
  region net NetJ18_7: 2582.68,342.52 2582.68,307.09 2744.09,307.09 2744.09,90.55 2488.19,90.55 2488.19,7.87 2775.59,7.87 2775.59,342.52
  region net VDD_5V0_SYS: -1702.76,-94.49 -1702.76,19.68 -1574.8,19.68 -1574.8,-94.49
  region net NetC88_2: -1781.5,-27.56 -2027.56,-27.56 -2027.56,29.53 -1781.5,29.53
  region net NetC87_2: -1811.02,-98.43 -1811.02,-68.9 -1761.81,-68.9 -1761.81,29.53 -1712.6,29.53 -1712.6,-98.43
  region net VIN_NVM: -994.09,600.39 -944.88,600.39 -944.88,472.44 -374.02,472.44 -374.02,295.28 -836.61,295.28 -836.61,383.86 -994.09,383.86
  region net VIN_PSU: -1013.78,600.39 -1013.78,374.02 -944.88,374.02 -944.88,295.28 -1062.99,295.28 -1062.99,600.39
  region net VDD_3V3_SYS: 535.43,1387.8 535.43,1273.62 444.88,1273.62 444.88,1375.98 503.94,1375.98 503.94,1387.8
  region net NetC21_2: 574.8,1517.72 484.25,1517.72 484.25,1541.34 448.82,1541.34 448.82,1667.32 519.68,1667.32 519.68,1627.95 574.8,1627.95
  region net NetC20_2: 472.44,1494.09 472.44,1533.46 444.88,1533.46 444.88,1438.98 574.8,1438.98 574.8,1494.09
  region net VIN_PSU: 1291.34,833.07 1291.34,866.14 1119.37,866.14 1119.37,830.71 1119.37,777.95 1291.34,777.95 1291.34,809.45 1371.34,809.45 1371.34,833.07
  region net VDD_3V3_MCU: 1485.51,1120.47 1485.51,1025.7 1725.67,1026.61 1725.67,884.25 1552.44,884.25 1552.44,955.12 1426.46,955.12 1426.46,1120.47
  region net NetC50_1: 1375.28,872.44 1383.15,880.31 1383.15,970.87 1320.16,970.87 1320.16,1120.47 1418.58,1120.47 1418.58,864.57 1398.9,844.88 1328.03,844.88 1328.03,872.44
  region net NetL6_2: 2220.47,-78.74 2188.98,-78.74 2188.98,-141.73 2173.23,-157.48 2137.8,-157.48 2137.8,-314.96 2220.47,-314.96
  region net NetL6_1: 2248.03,-78.74 2279.53,-78.74 2279.53,-141.73 2295.28,-157.48 2311.02,-157.48 2311.02,-314.96 2248.03,-314.96
  region net GND: -1456.69,757.87 -1318.9,757.87 -1318.9,885.83 -1407.48,885.83 -1407.48,836.61 -1456.69,836.61
  region net VDD_3V3_SYS: -712.6,992.13 -610.24,992.13 -610.24,901.57 -318.9,901.57 -318.9,771.65 -712.6,771.65
  region net VDD_1V8_SYS: -712.6,1244.09 -610.24,1244.09 -610.24,1334.65 -318.9,1334.65 -318.9,1464.57 -712.6,1464.57
  region net BAT_CONc: -2224.41,409.45 -2267.72,409.45 -2267.72,285.43 -2188.98,285.43 -2188.98,409.45
  region net VIN_PSU: -1358.27,1102.36 -1358.27,1053.15 -1300.2,1053.15 -1300.2,1102.36 -1114.17,1102.36 -1114.17,1133.86 -1161.42,1133.86 -1181.1,1153.54 -1267.72,1153.54 -1311.02,1196.85 -1566.93,1196.85 -1566.93,1102.36
  region net VIN_PSU: -952.76,1133.86 -952.76,1102.36 -905.51,1102.36 -885.83,1082.68 -799.21,1082.68 -759.84,1043.31 -500,1043.31 -500,1192.91 -759.84,1192.91 -799.21,1153.54 -885.83,1153.54 -905.51,1133.86
  region net NetC43_1: -952.76,1074.8 -952.76,1062.99 -917.32,1062.99 -905.51,1051.18 -905.51,779.53 -767.72,779.53 -767.72,1035.43 -807.09,1074.8
  region net NetC51_1: -952.76,1161.42 -952.76,1173.23 -917.32,1173.23 -905.51,1185.04 -905.51,1456.69 -767.72,1456.69 -767.72,1200.79 -807.09,1161.42
  region net NetC32_1: -1114.17,1161.42 -1114.17,1173.23 -1149.61,1173.23 -1161.42,1185.04 -1161.42,1456.69 -1299.21,1456.69 -1299.21,1200.79 -1259.84,1161.42
  region net VIN_PSU: -1775.59,265.75 -1775.59,283.46 -1673.23,283.46 -1673.23,157.48 -2303.15,157.48 -2303.15,265.75
  region net BAT_CON: -2362.2,807.09 -2362.2,570.87 -2244.09,570.87 -2244.09,472.44 -2188.98,472.44 -2188.98,523.62 -2145.67,523.62 -2145.67,807.09
  region net GND: -1456.69,177.17 -1318.9,177.17 -1318.9,305.12 -1407.48,305.12 -1407.48,255.91 -1456.69,255.91
  region net BQSL: -1594.49,885.83 -1594.49,834.65 -1653.54,834.65 -1653.54,753.94 -1594.49,753.94 -1594.49,596.46 -1289.37,596.46 -1289.37,685.04 -1417.32,685.04 -1476.38,744.09 -1476.38,885.83
  region net BQSR: -1289.37,458.66 -1564.96,458.66 -1594.49,458.66 -1594.49,255.91 -1653.54,255.91 -1653.54,177.17 -1476.38,177.17 -1476.38,311.02 -1417.32,370.08 -1289.37,370.08
  region net BQL: -1673.23,913.39 -1673.23,968.5 -1744.09,968.5 -1744.09,872.05 -1781.5,872.05 -1781.5,763.78 -1673.23,763.78
  region net DC_INfb: -2057.09,948.82 -2057.09,1334.65 -1998.03,1334.65 -1998.03,1029.53 -1998.03,948.82
  region net DC_INrp: -1988.19,1466.54 -2106.3,1466.54 -2106.3,1407.48 -1988.19,1407.48 -1988.19,1019.68 -1988.19,921.26 -1807.09,921.26 -1807.09,968.5 -1889.76,968.5 -1889.76,1515.75 -1988.19,1515.75
  region net VDD_5V0_SYS: -1354.33,1244.09 -1456.69,1244.09 -1456.69,1334.65 -1748.03,1334.65 -1748.03,1464.57 -1354.33,1464.57
  region net DC_IN: -2076.77,1334.65 -2076.77,1059.06 -2283.46,1059.06 -2283.46,1236.22 -2194.88,1236.22 -2194.88,1334.65

## Silkscreen, mask and mechanical layers (free items; w line width, h text height)
Top Overlay:
  lines w10: 1718.5,-1291.14 2190.94,-1291.14 2190.94,-1133.66 1718.5,-1133.66 1718.5,-1173.03 1718.5,-1291.14 ; 1718.5,1133.66 2190.94,1133.66 2190.94,1173.03 2190.94,1291.14 1718.5,1291.14 1718.5,1133.66 ; 2218.5,-1291.14 2690.94,-1291.14 2690.94,-1133.66 2218.5,-1133.66 2218.5,-1173.03 2218.5,-1291.14 ; 2218.5,1133.66 2690.94,1133.66 2690.94,1173.03 2690.94,1291.14 2218.5,1291.14 2218.5,1133.66
  text "JTAG" at 1771.65,787.4 h30

## Text inside footprints (layer, text, board x,y; h text height)
J3: Mechanical 1 "J1" at 1859.84,440.16 h25 r90
J6_SR1: Mechanical 1 "J1" at 2471.86,-1194.9 h25 r180
J6_SR2: Mechanical 1 "J1" at 1937.58,1194.9 h25
J7_SR1: Mechanical 1 "J1" at 1971.86,-1194.9 h25 r180
J7_SR2: Mechanical 1 "J1" at 2437.58,1194.9 h25
J9: Bottom Overlay "uSD" at 480.31,1462.6 h30 r180
J10: Top Overlay "Hello?" at -2459.53,-744.79 h30 r270
J12: Top Overlay "1" at -2461.26,429.92 h30 r270
J15: Bottom Overlay "SS" at 423.23,-1651.57 h30
J17: Mechanical 1 "J1" at 1867.5,57.86 h25 r90
J18: Mechanical 1 "J1" at 2576.55,258.45 h25 r90
J19: Mechanical 1 "J1" at 2576.55,-292.73 h25 r90
SPK1: Bottom Overlay "TAPE / HERE" at 1966.89,1437.83 h30 r180